# Altium PCB CountDown LCD-Relay-Sound.PcbDoc
Units mm, origin at the board's own origin, x right, y up, seen from the top; angles counter-clockwise.
Board outline 100 x 71 mm, 2 copper layers (Top Layer, Bottom Layer); 23 components, 37 nets, 100 pads, 4 vias.
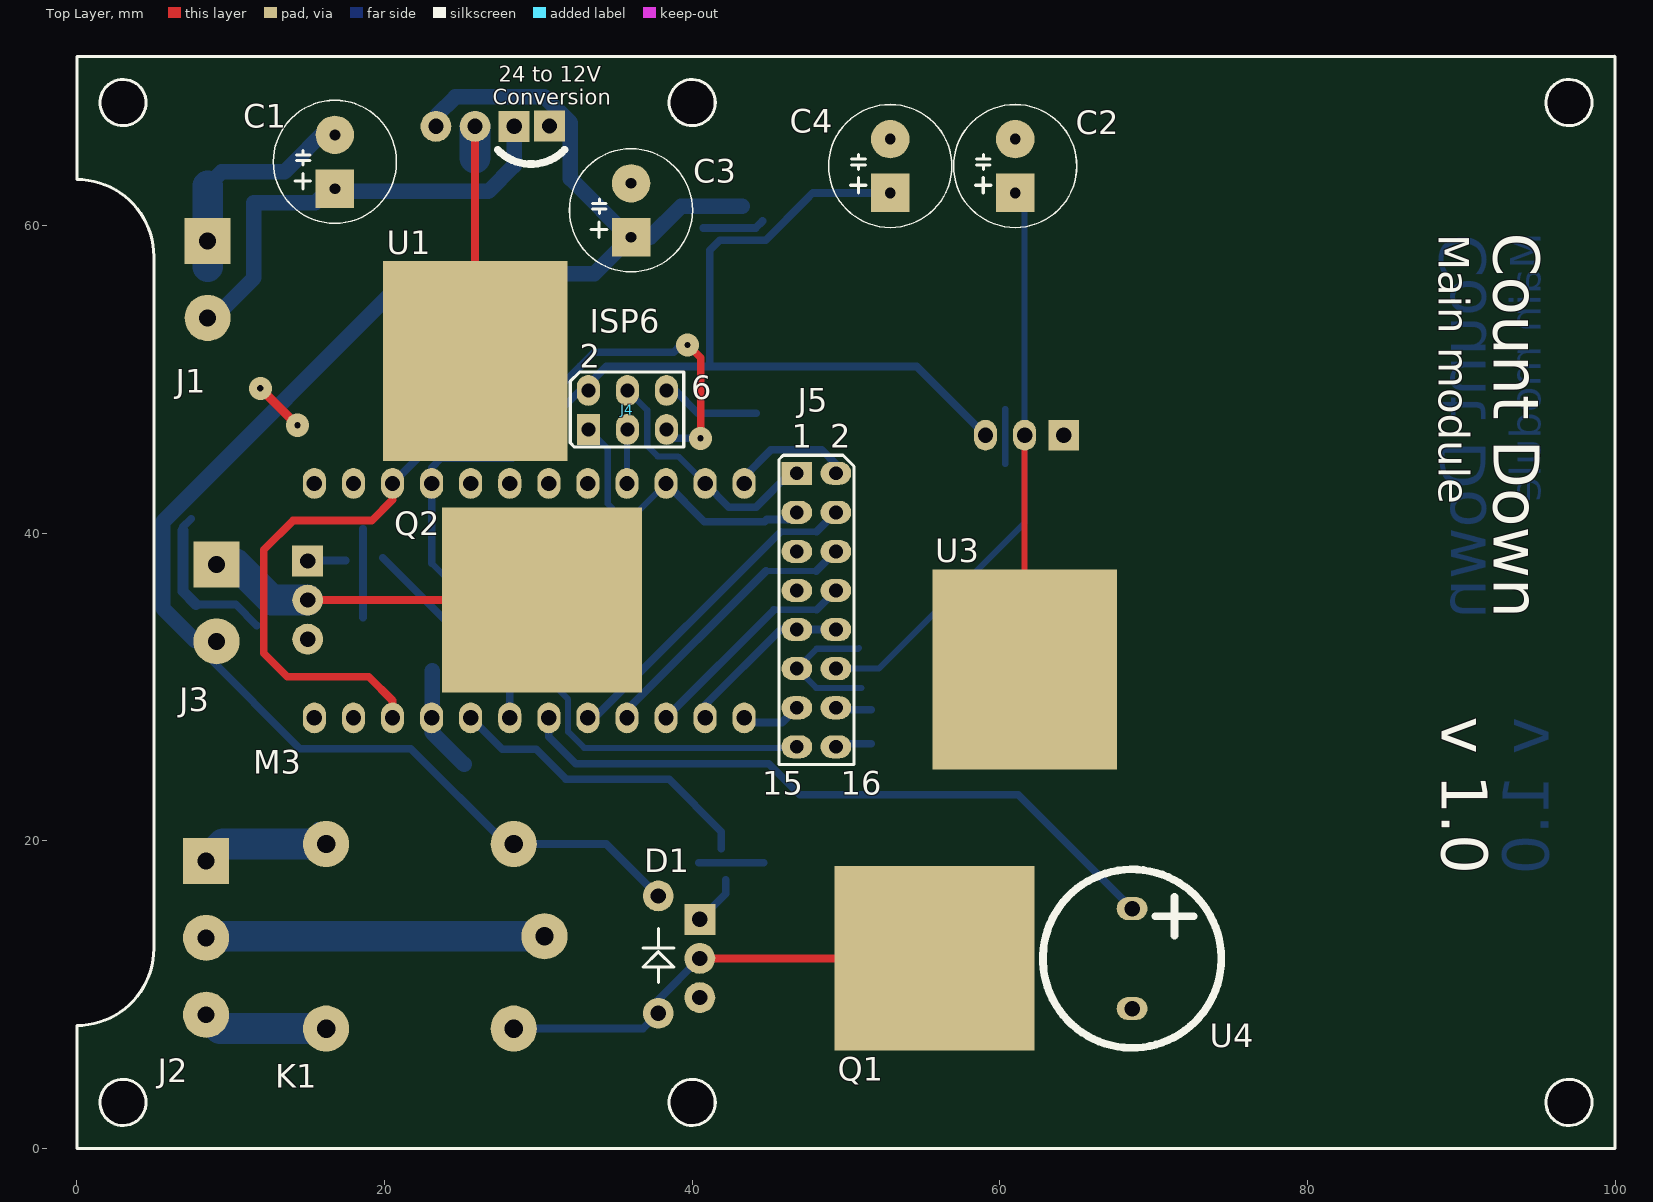
[diagram p0: Top Layer view]
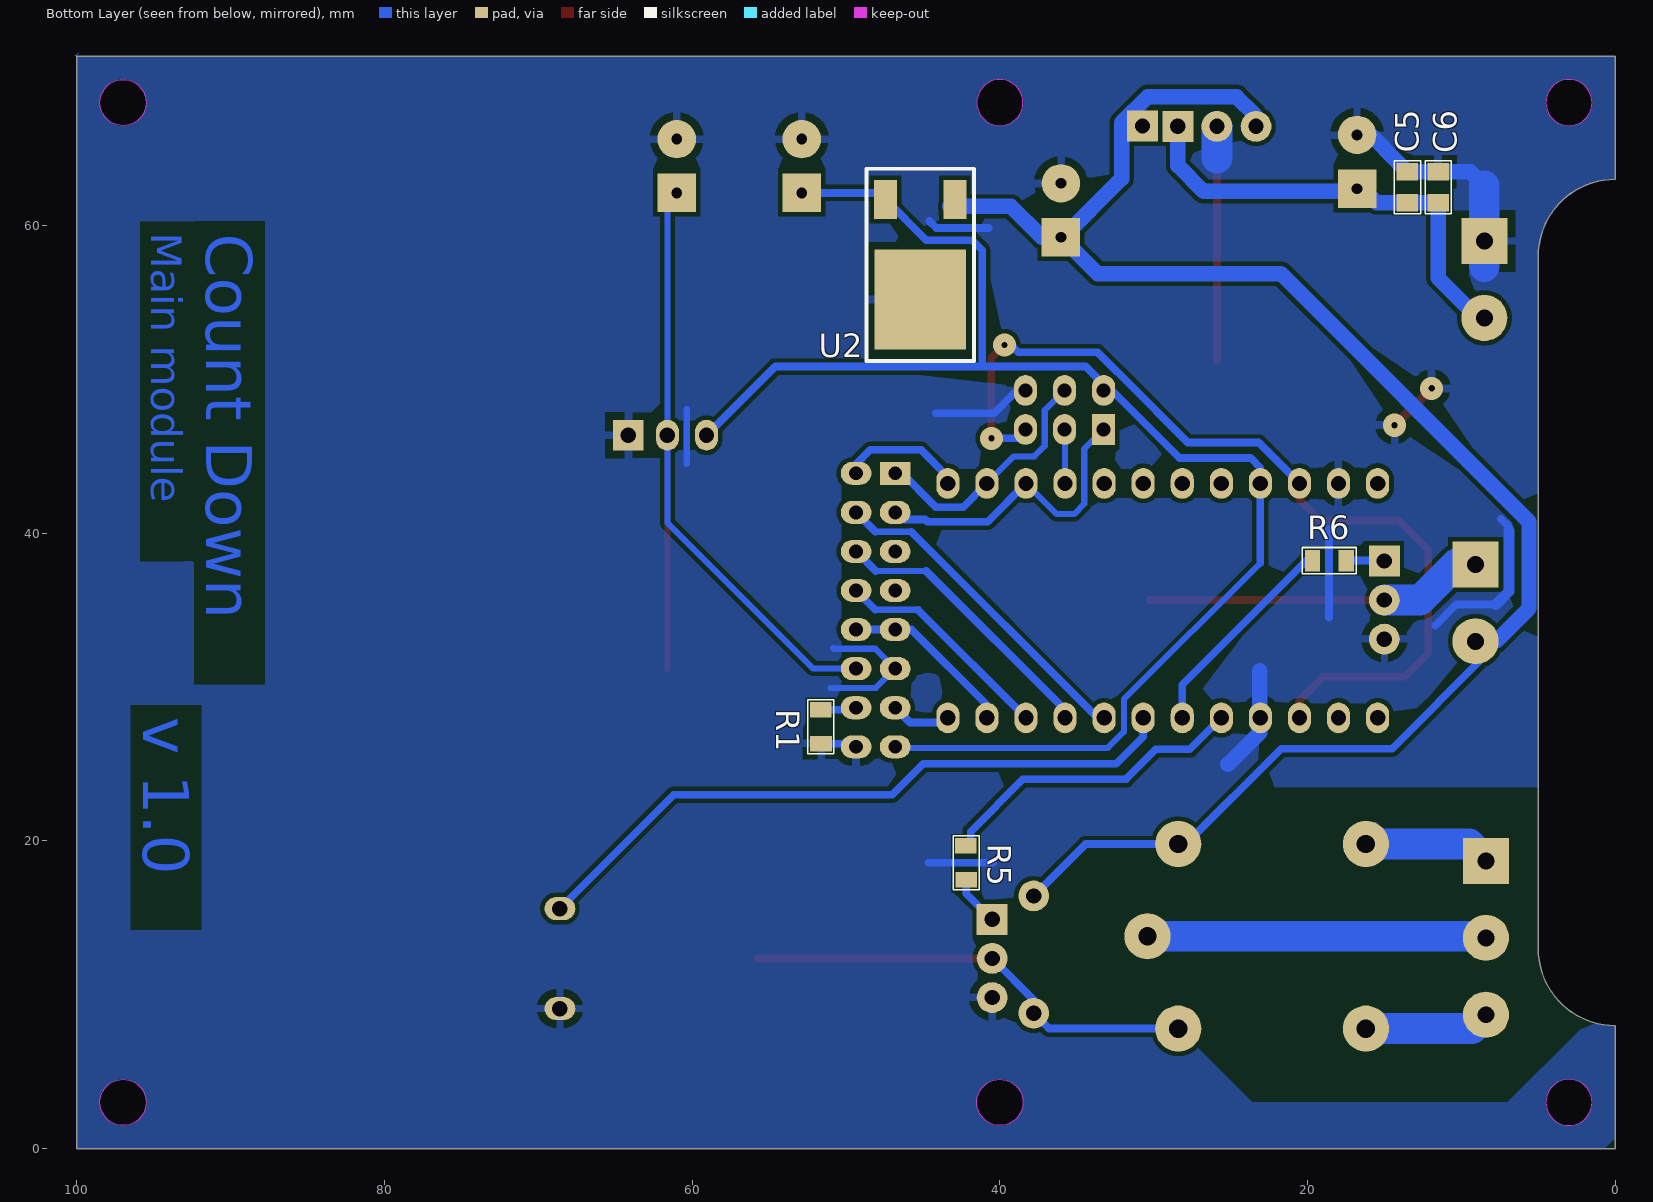
[diagram p1: Bottom Layer view, seen from below]

## Layer stack, top to bottom
Top Solder: solder mask 0.0102, Solder Resist, Dk 3.5
Top Layer: signal copper 0.0356
Dielectric 1: dielectric 0.32, FR-4, Dk 4.8
Bottom Layer: signal copper 0.0356
Bottom Solder: solder mask 0.0102, Solder Resist, Dk 3.5

## Board outline
0,0 0,8 ccw(c0,13) 5,13 5,58 ccw(c0,58) 0,63 0,71 100,71 100,0
cut-out: 95.5,68 ccw(c97,68) 97,66.5 ccw(c97,68) 98.5,68 ccw(c97,68) 97,69.5 ccw(c97,68)
cut-out: 40,66.5 cw(c40,68) 38.5,68 cw(c40,68) 40,69.5 cw(c40,68) 41.5,68 cw(c40,68)
cut-out: 95.5,3 ccw(c97,3) 97,1.5 ccw(c97,3) 98.5,3 ccw(c97,3) 97,4.5 ccw(c97,3)
cut-out: 38.5,3 ccw(c40,3) 40,1.5 ccw(c40,3) 41.5,3 ccw(c40,3) 40,4.5 ccw(c40,3)
cut-out: 3,1.5 cw(c3,3) 1.5,3 cw(c3,3) 3,4.5 cw(c3,3) 4.5,3 cw(c3,3)
cut-out: 3,66.5 cw(c3,68) 1.5,68 cw(c3,68) 3,69.5 cw(c3,68) 4.5,68 cw(c3,68)

## Design rules (kind name [scope] priority, off if disabled: settings)
Clearance [All] p1: gap=0.3
ComponentClearance [All] p1: gap=0.01 collisioncheckmode=3 verticalgap=0.2 showdistances=FALSE
Height [All] p1: minheight=0 maxheight=25 prefheight=12.7
HoleSize [All] p1: absolutevalues=TRUE maxlimit=3.2 minlimit=0.4 maxpercent=80.000 minpercent=20.000
HoleToHoleClearance [All] p1: gap=0.2 allowstackedmicrovias=TRUE
PlaneClearance [All] p1: clearance=0.5
PlaneConnect [All] p1: planeconnectstyle=Relief reliefexpansion=0.508 reliefentries=4 reliefconductorwidth=0.5 reliefairgap=0.5
PolygonConnect [All] p1: connectstyle=Relief reliefconductorwidth=0.5 reliefentries=4 polygonreliefangle="90 Angle" airgapwidth=0.5
RoutingVias [All] p1: holewidth=0.7 width=1.5 viastyle="Through Hole" minholewidth=0.4 minwidth=0.4 maxholewidth=3.2 maxwidth=7
SilkToSilkClearance [All] p1: silktosilkclearance=0.05
SilkToSolderMaskClearance [IsPad] p1: minsilkscreentomaskgap=0.2 clearancetoexposedcopper=TRUE
SolderMaskExpansion [All] p1: expansion=0.1
Width [All] p1: maxlimit=3 minlimit=0.2 preferedwidth=0.5
21 further rules are at their usual default settings.

## Components (designator, comment, footprint, x,y, rotation, side; value= is the part's Value field where it differs from the comment)
C1 "100uF 50V" "Cap E p3.5mm D8xH12" 16.775,62.4 r90 top
C2 "330uF 16V" "Cap E p3.5mm D8xH12" 61,62.125 r90 top
C3 "330uF 16V" "Cap E p3.5mm D8xH12" 36.025,59.25 r90 top
C4 "330uF 16V" "Cap E p3.5mm D8xH12" 52.875,62.125 r90 top
C5 "0.1uF" "SMD 0805 (2012)"#1 13.5,61.5 r90 bottom
C6 "0.01uF" "SMD 0805 (2012)"#1 11.5,61.5 r90 bottom
D1 "1N5819" "Diode DO-35" 37.8,8.8 r90 top
J1 "DC" "DG301 5mm 2p" 8.5,59 r270 top
J2 "UV" "DG301 5mm 3p" 8.4,18.7 r270 top
J3 "LED Strip" "DG301 5mm 2p" 9.075,37.975 r270 top
J4 "ISP6" "LINE 2.54 x 6D (2 x 3)" 33.25,46.75 r90 top
J5 "Connector" "LINE 2.54 x 16D (2 x 8)" 46.8,43.9 r0 top
K1 "HRS4H-S-DC12V" "Relay Type C" 30.4,13.8 r180 top
M3 "Arduino Pro Micro" "Arduino Pro Mini (no A4-A7))" 51,28 r180 top
Q1 "TIP122" "TO220-2 Horisontal"#1 40.5,14.9 r180 top
Q2 "TIP122" "TO220-2 Horisontal"#1 15,38.2 r180 top
R1 "1kOm" "SMD 0805 (2012)"#2 51.625,26.4 r90 bottom
R5 "1kOm" "SMD 0805 (2012)"#2 42.2,19.6 r270 bottom
R6 "1kOm" "SMD 0805 (2012)"#2 19.6,38.2 r180 bottom
U1 "L7812CV" "TO220-2 Horisontal"#1 28.425,66.45 r90 top
U2 "7805C" D-PAK 45.175,55.2 r90 bottom
U3 "KIA1117BPI33" "TO220-2 Horisontal"#2 64.15,46.375 r90 top
U4 "Buzzer" "Buzzer 12x9mm" 68.6,15.6 r270 top

## Footprints (in the part's own frame and the unit in brackets; to place one, negate y for a bottom-side part, rotate by r counter-clockwise, add the part's x,y. Pads: shape width x height; smd on the part's side, far side on the other; paste and mask are expansions set on the pad)
"Arduino Pro Mini (no A4-A7))" [mm]
  oval 1.5x2 hole 1: 5V(27.94,-15.24) A0(17.78,-15.24) A1(20.32,-15.24) A2(22.86,-15.24) A3(25.4,-15.24) D2(25.4,0) D3(22.86,0) D4(20.32,0) D5(17.78,0) D6(15.24,0) D7(12.7,0) D8(10.16,0) D9(7.62,0) D10(7.62,-15.24) D11(10.16,-15.24) D12(12.7,-15.24) D13(15.24,-15.24) GND(27.94,0) GND(33.02,-15.24) RAW(35.56,-15.24) Reset(30.48,-15.24) Reset(30.48,0) RXD(33.02,0) TXD(35.56,0)
  body extent 5.63,-16.93 39.63,1.67, height 20.8
"Buzzer 12x9mm" [mm]
  oval 1.5x2 hole 1: 1(0,0) 2(6.5,0)
  silkscreen extent -2.55,-5.8 9.05,5.8, body extent -2.75,-6 9.25,6, height 8.5
"Cap E p3.5mm D8xH12" [mm] "D 8mm; H 12mm"
  rect 2.5x2.5 hole 0.7: 1(0,0)
  round 2.5 hole 0.7: 2(3.5,0)
  silkscreen extent -2.25,-4 5.75,4, body extent -2.22,-4 5.75,4, height 12.31
D-PAK [mm]
  rect 2.54x1.5 smd: 1(6.5,-2.25) 3(6.5,2.25)
  rect 6.48x5.97 smd: 2(0,0)
  silkscreen extent -4,-3.5 8.5,3.5, body extent -2.7,-3.29 7,3.29, height 2.3
"DG301 5mm 2p" [mm]
  rect 3x3 hole 1.1: 1(0,0)
  round 3 hole 1.1: 2(5,0)
  body extent -3.1,-3.4 7.5,4.2, height 10
"DG301 5mm 3p" [mm]
  rect 3x3 hole 1.1: 1(0,0)
  round 3 hole 1.1: 2(5,0) 3(10,0)
  body extent -3.1,-3.4 12.5,4.2, height 10
"Diode DO-35" [mm] "p7.62mm"
  round 2 hole 1: A(0,0) K(7.62,0)
  silkscreen extent 2,-1 5.5,1, body extent -0.32,-1 7.82,1.02, height 2.21
"LINE 2.54 x 6D (2 x 3)" [mm]
  rect 2x1.5 hole 0.9: 1(0,0)
  oval 2x1.5 hole 0.9: 2(2.54,0) 3(0,-2.54) 4(2.54,-2.54) 5(0,-5.08) 6(2.54,-5.08)
  silkscreen extent -1.15,-6.2 3.72,1.17, body extent -1.27,-6.36 3.81,1.26, height 8.5
"LINE 2.54 x 16D (2 x 8)" [mm]
  rect 2x1.5 hole 0.9: 1(0,0)
  oval 2x1.5 hole 0.9: 2(2.54,0) 3(0,-2.54) 4(2.54,-2.54) 5(0,-5.08) 6(2.54,-5.08) 7(0,-7.62) 8(2.54,-7.62) 9(0,-10.16) 10(2.54,-10.16) 11(0,-12.7) 12(2.54,-12.7) 13(0,-15.24) 14(2.54,-15.24) 15(0,-17.78) 16(2.54,-17.78)
  silkscreen extent -1.15,-18.92 3.72,1.17, body extent -1.26,-19.05 3.82,1.27, height 2.3
"Relay Type C" [mm]
  round 3 hole 1.2: 1(14.2,6) 2(0,0) 3(14.2,-6) 4(2,-6) 5(2,6)
  body extent -1.75,-7.95 17.75,7.95, height 15
"SMD 0805 (2012)"#1 [mil]
  rect 45x55 smd: 1(0,0) 2(78.74,0)
  silkscreen extent -29,-33 107,33, body extent 1,-25 80,25, height 31
"SMD 0805 (2012)"#2 [mil]
  rect 39.37x55.12 smd: 1(-2.95,0) 2(83.66,0.98)
  silkscreen extent -29,-32 109,34, body extent 1,-24 80,26, height 18
"TO220-2 Horisontal"#1 [mm]
  rect 2x2 hole 1: 1(0,0)
  rect 13x12 smd: 2(-15.24,2.54)
  round 2 hole 1: 2(0,2.54) 3(0,5.08)
  body extent -19.7,-2.46 0,7.54, height 4.6
"TO220-2 Horisontal"#2 [mm]
  rect 2x2 hole 1: 1(0,0)
  rect 13x12 smd: 2(-15.24,2.54)
  oval 2x1.5 hole 1: 2(0,2.54) 3(0,5.08)
  body extent -19.7,-2.46 0,7.54, height 4.6

## Part data
C1: library part "Cap E 100mF x 50V", "Capacitor"
C2 C3 C4: library part "Cap E 330uF x 16V", "Capacitor"
C5 C6: library part "Cap SMD 0402-1812", "Capacitor"
D1: library part "Diode 1N5819", "1 Amp General Purpose Rectifier"
J1 J3: library part DG301-5.0-2P12, "DG301 series"
J2: library part DG301-5.0-3P12, "DG301 series"
J4: library part "ISP-6 connector PLD6"
J5: library part "PLD-16 (2 x 8)", "Vert, Dbl line, Male"
K1: "Single-Pole Relay 12V 10A"
Q1 Q2: "NPN Darlington 5A, 65W, 100V, h>1000"
R1 R5 R6: library part "Res All Types"
U1 U2: "Voltage Regulator"
U3: "Voltage Regulator TO220"
U4: "Dallas Digital t Sensor"

## Free pads (board coordinates)
  rect 2x2 hole 1: 18(30.725,66.475)

## Via types
v1: diameter 1.5, hole 0.4, Top Layer to Bottom Layer, 4 vias

## Nets (pads, with @x,y where several pads share a name; then routed paths per layer and width w, separated by ;. In a path a pad name is that pad's centre, name@x,y a point inside that pad or via, vN(x,y) a via of type N, cw(c..) or ccw(c..) an arc to the next point about the centre after c; other vN are vias at no path point)
+3.3V: C2.1 J5.12 U3.2 | length 53.1
  Top Layer w0.4: U3.2@61.61,31.135 U3.2@61.61,46.375
  Bottom Layer w0.4: J5.12 52.125,31.2 61.61,40.685 61.61,46.375 61.61,61.065 61,61.675 C2.1
+5V: C4.1 J4.2 J5.15 M3.5V U2.3 U3.3 | length 97.8
  Bottom Layer w0.4: 23.06,38.065 31.93,29.195 31.93,27.095 32.975,26.05 J5.15@46.8,26.05
  Bottom Layer w0.5: 23.06,38.065 M3.5V 23.06,44.26 23.7,44.9 28.325,44.9 32.715,49.29 J4.2 33.25,49.675 34.415,50.84 41.15,50.84 ; C4.1 47.85,62.125 U2.3 44.775,59.05 41.8,59.05 41.15,58.4 41.15,50.84 ; U3.3 54.605,50.84 41.15,50.84
+12V: C3.1 D1.K J3.2 K1.4 pad.18 U1.3 U2.1 | length 111.1
  Bottom Layer w0.5: J3.2@8.5,32 14.5,26 21.7,26 27.9,19.8 K1.4 34.42,19.8 D1.K
  Bottom Layer w1: J3.2@8.5,33 7.725,33 5.6,35.125 5.6,40.75 21.725,56.875 33.65,56.875 C3.1 37.275,59.25 39.275,61.25 U2.1@43.25,61.25 ; U1.3@23.375,66.55 23.375,67.15 24.6,68.375 30.4,68.375 32.075,66.7 32.075,63.05 C3.1@36.075,59.05
+24V: C1.1 C5.1 C6.1 J1.2 U1.1 | length 29.4
  Bottom Layer w1: J1.2 8.9,54 11.5,56.6 C6.1 C5.1 15.5,61.5 16.225,62.225 26.75,62.225 28.425,63.9 U1.1
"BT 1": J5.13 M3.D9 | length 3.9
  Bottom Layer w0.5: M3.D9 43.68,27.7 45.84,27.7 J5.13
"BT 2": J4.4 J5.1 M3.D11 | length 16.4
  Bottom Layer w0.4: J4.4 37.075,48.005 37.075,45.675 37.75,45 39.08,45 M3.D11
  Bottom Layer w0.5: M3.D11 42.39,41.69 43.918,41.69 43.928,41.7 44.15,41.7 46.438,43.988 J5.1@46.712,43.988
"BT 3": J4.1 J5.3 M3.D12 | length 20
  Bottom Layer w0.4: J4.1 34.51,45.49 34.51,41.915 35.175,41.25 36.31,41.25 M3.D12
  Bottom Layer w0.5: M3.D12 40.79,40.75 44.7,40.75 44.85,40.9 46.34,40.9 J5.3
"BTX 1": 
"BTX 2": 
"BTX 3": 
BUZZER: M3.D4 U4.1 | length 43.8
  Bottom Layer w0.5: M3.D4 30.68,26.77 32.425,25.025 44.975,25.025 47,23 61.2,23 U4.1
GND: C1.2 C2.2 C3.2 C4.2 C5.2 C6.2 J1.1 J4.6 J5.11 J5.16 M3.GND Q1.3 Q2.3 R1.1 U1.2 U2.2 U3.1 U4.2 | length 89.5
  Top Layer w0.5: U1.2@25.885,51.21 U1.2@25.885,66.45
  Top Layer w0.6: v1(11.925,49.425) v1@14.35,47
  Bottom Layer w0.4: 50.85,32.55 50.79,32.49 48.09,32.49 J5.11 48.05,29.95 51,29.95 ; 60.35,44.5 60.35,48.075
  Bottom Layer w0.5: 6.9,40.175 6.9,40.425 7.425,40.95 ; 7.75,35.375 10.325,35.375 11.7,34 ; 18.6,34.525 18.6,40.3 ; J4.6 38.885,49.29 40.375,47.8 44.175,47.8 ; 40.425,18.575 44.65,18.575 ; 40.725,59.85 44.125,59.85 44.575,60.3 ; J5.16 49.545,26.325 R1.1
  Bottom Layer w0.7: 6.9,40.175 6.9,36.225 7.75,35.375
  Bottom Layer w1: 8.5,62.6 9.4,63.5 C6.2 C5.2 16.5,66.5 C1.2@17,66.5 ; 23.1,31.075 23.1,27.05 25.175,24.975
  Bottom Layer w2: 8.5,57.325 8.5,62.6 ; 25.885,64.39 U1.2@25.885,66.45
  other v1: 14.35,47.025
"LCD CE": J5.4 M3.D5 | length 21.7
  Bottom Layer w0.4: 45.75,40.1 48.08,40.1
  Bottom Layer w0.5: M3.D5 33.65,28 45.75,40.1 ; 48.08,40.1 J5.4
"LCD CLK": J5.9 J5.10 M3.D8 | length 11.9
  Bottom Layer w0.5: M3.D8 40.84,28.84 45.74,33.74 J5.10 J5.10@48.815,33.74
"LCD DC": J5.6 M3.D6 | length 18.4
  Bottom Layer w0.4: 44.8,37.55 48.07,37.55
  Bottom Layer w0.5: M3.D6 35.76,28.51 44.8,37.55 ; 48.07,37.55 J5.6
"LCD DIN": J5.8 M3.D7 | length 14.5
  Bottom Layer w0.4: 45.325,35.025 48.085,35.025
  Bottom Layer w0.5: M3.D7 45.325,35.025 ; 48.085,35.025 J5.8
"LCD RESET": J5.2 M3.D10 | length 8.1
  Bottom Layer w0.5: M3.D10 43.38,43.68 45.125,45.425 48.425,45.425 49.383,44.467 J5.2@49.383,43.943
"LED STRIP": M3.D3 R6.1 | length 13.8
  Bottom Layer w0.5: R6.1@19.887,38.413 28.14,30.16 M3.D3
"LED STRIP OUT": J3.1 Q2.2 | length 21.9
  Top Layer w0.5: Q2.2@15,35.66 Q2.2@30.24,35.66
  Bottom Layer w2: J3.1@9.275,38 10.325,38 12.665,35.66 Q2.2@15,35.66
NetD1_A: D1.A K1.5 Q1.2 | length 29.7
  Top Layer w0.5: Q1.2@40.5,12.36 Q1.2@55.74,12.36
  Bottom Layer w0.5: K1.5 36.8,7.8 D1.A 37.8,9.66 Q1.2@40.5,12.36
NetJ5_14: J5.14 R1.2 | length 2.4
  Bottom Layer w0.5: J5.14 49.475,28.525 R1.2
NetJ6_1: 
NetJ6_3: 
NetJ6_5: 
NetJ6_7: 
NetJ6_9: 
NetJ6_11: 
NetJ6_13: 
NetJ6_15: 
NetQ1_1: Q1.1 R5.2 | length 3.3
  Bottom Layer w0.5: Q1.1 42.175,16.575 R5.2
NetQ2_1: Q2.1 R6.2 | length 2.5
  Bottom Layer w0.5: Q2.1 15.025,38.225 R6.2
RELAY: M3.D2 R5.1 | length 20.5
  Bottom Layer w0.5: M3.D2 27.65,25.95 29.85,25.95 31.8,24 38.5,24 41.9,20.6 R5.1@41.9,19.5
"RELAY IN": J2.2 K1.2 | length 22
  Bottom Layer w2: J2.2 8.5,13.8 K1.2
"RELAY OFF": J2.1 K1.3 | length 9.4
  Bottom Layer w0.5: K1.3@15.625,20.975 K1.3@16.4,20.2
  Bottom Layer w2: J2.1 9.5,19.8 K1.3
"RELAY ON": J2.3 K1.1 | length 8.2
  Bottom Layer w2: J2.3 9.3,7.8 K1.1
RESET: J4.5 M3.Reset | length 60.1
  Top Layer w0.5: M3.Reset@20.52,28 20.52,29.13 18.975,30.675 13.675,30.675 12.15,32.2 12.15,38.925 14.05,40.825 19.175,40.825 20.52,42.17 M3.Reset@20.52,43.24 ; v1(39.7,52.25) 40.55,51.4 v1(40.55,46.175)
  Bottom Layer w0.5: M3.Reset@20.52,43.24 23.18,45.9 27.775,45.9 31.95,50.075 31.95,50.078 32.712,50.84 32.715,50.84 33.65,51.775 38.8,51.775 39.275,52.25 v1(39.7,52.25) ; J4.5 38.905,46.175 v1(40.55,46.175)
SCK: J4.3 M3.D13 | length 4
  Bottom Layer w0.4: J4.3@35.29,47 35.76,46.53 M3.D13
pads on no net: J5.5 J5.7 M3.A0 M3.A1 M3.A2 M3.A3 M3.RAW M3.RXD M3.TXD

## Polygon pours and split planes (outlines as drawn)
GND on Bottom Layer "Top Layer-No Net" (solid, pour order 5): 99.9,71.209 100.07,71.038 100.093,71.038
GND on Bottom Layer "Top Layer-No Net" (solid, pour order 4): 100,0 100,71 0,71 0,0

## Other copper
Top Layer:
  text ".Layer_Name" at 64,76 h1
Bottom Layer:
  pour cut-out: 0,63.005 0.175,63 0.654,62.968 0.658,62.964 1.297,62.84 1.918,62.629 2.211,62.484 2.505,62.339 2.778,62.157 3.05,61.975 3.297,61.759 3.543,61.543 3.759,61.297 3.975,61.05 4.157,60.778 4.339,60.505 4.484,60.211 4.629,59.918 4.735,59.607 4.84,59.297 4.904,58.975 4.968,58.654 5.011,58 5,58 5,12.684 4.968,12.271 4.84,11.703 4.735,11.393 4.629,11.082 4.484,10.789 4.339,10.497 4.195,10.26 3.975,9.95 3.756,9.701 3.543,9.457 3.05,9.025 2.778,8.843 2.505,8.661 2.211,8.516 1.918,8.371 1.607,8.265 1.297,8.16 0.975,8.096 0.654,8.032 0.327,8.011 0,7.989
  pour cut-out: 5,23.5 22.825,23.5 25.725,20.6 26.425,17.825 29.5,17.75 31.25,19 34,18.75 35.5,17 36,14.681 38.5,14.5 38.5,12.25 36,9.5 31.75,8.5 29.35,8.675 28.4,7.8 23.575,3.025 7,3 2.25,7.75 5,10.5
  text ".Layer_Name" at 64,76 h1
  text "Main module" at 95.175,59.55 h2 r90
  text "Count Down" at 91.575,59.475 h3 r90
  text "v 1.0" at 95.7,28.025 h3 r90

## Silkscreen, mask and mechanical layers (free items; w line width, h text height)
Top Overlay:
  circle w0.2: c97,68 r1.5
  circle w0.2: c40,68 r1.5
  circle w0.2: c3,68 r1.5
  circle w0.2: c3,3 r1.5
  circle w0.2: c40,3 r1.5
  circle w0.2: c97,3 r1.5
  lines w0.001: 99.9,71.1 100,71
  lines w0.2: 0,0 0,8 ccw(c0,13) 5,13 5,58 ccw(c0,58) 0,63 0,71 100,71 100,0 0,0
  lines w0.5: 27.363,64.925 ccw(c29.531,66.998) 31.7,64.925
  text ".Layer_Name" at 64,76 h1
  text "24 to 12V" at 27.425,69.35 h1
  text "Conversion" at 27.05,67.85 h1
  text "Count Down" at 92.125,59.525 h3 r270
  text "Main module" at 88.525,59.45 h2 r270
  text "v 1.0" at 88.725,28.075 h3 r270
Bottom Overlay:
  text ".Layer_Name" at 64,76 h1
Top Solder:
  text ".Layer_Name" at 64,76 h1
Bottom Solder:
  text ".Layer_Name" at 64,76 h1
Mechanical 1:
  text "100 x 71 mm (for 24v Power supply" at 0,76 h1
  text ".Pcb_File_Name_No_Path" at 0,73 h1

## Text inside footprints (layer, text, board x,y; h text height)
J4: Top Overlay "2" at 32.675,50.775 h1.52; Top Overlay "6" at 39.95,48.7 h1.52
J5: Top Overlay "1" at 46.475,45.55 h1.52; Top Overlay "2" at 48.975,45.55 h1.52; Top Overlay "15" at 44.55,23 h1.52; Top Overlay "16" at 49.65,23 h1.52